# Altium PCB Power Distribution Board.PcbDoc (part 1 of 3) (continued)
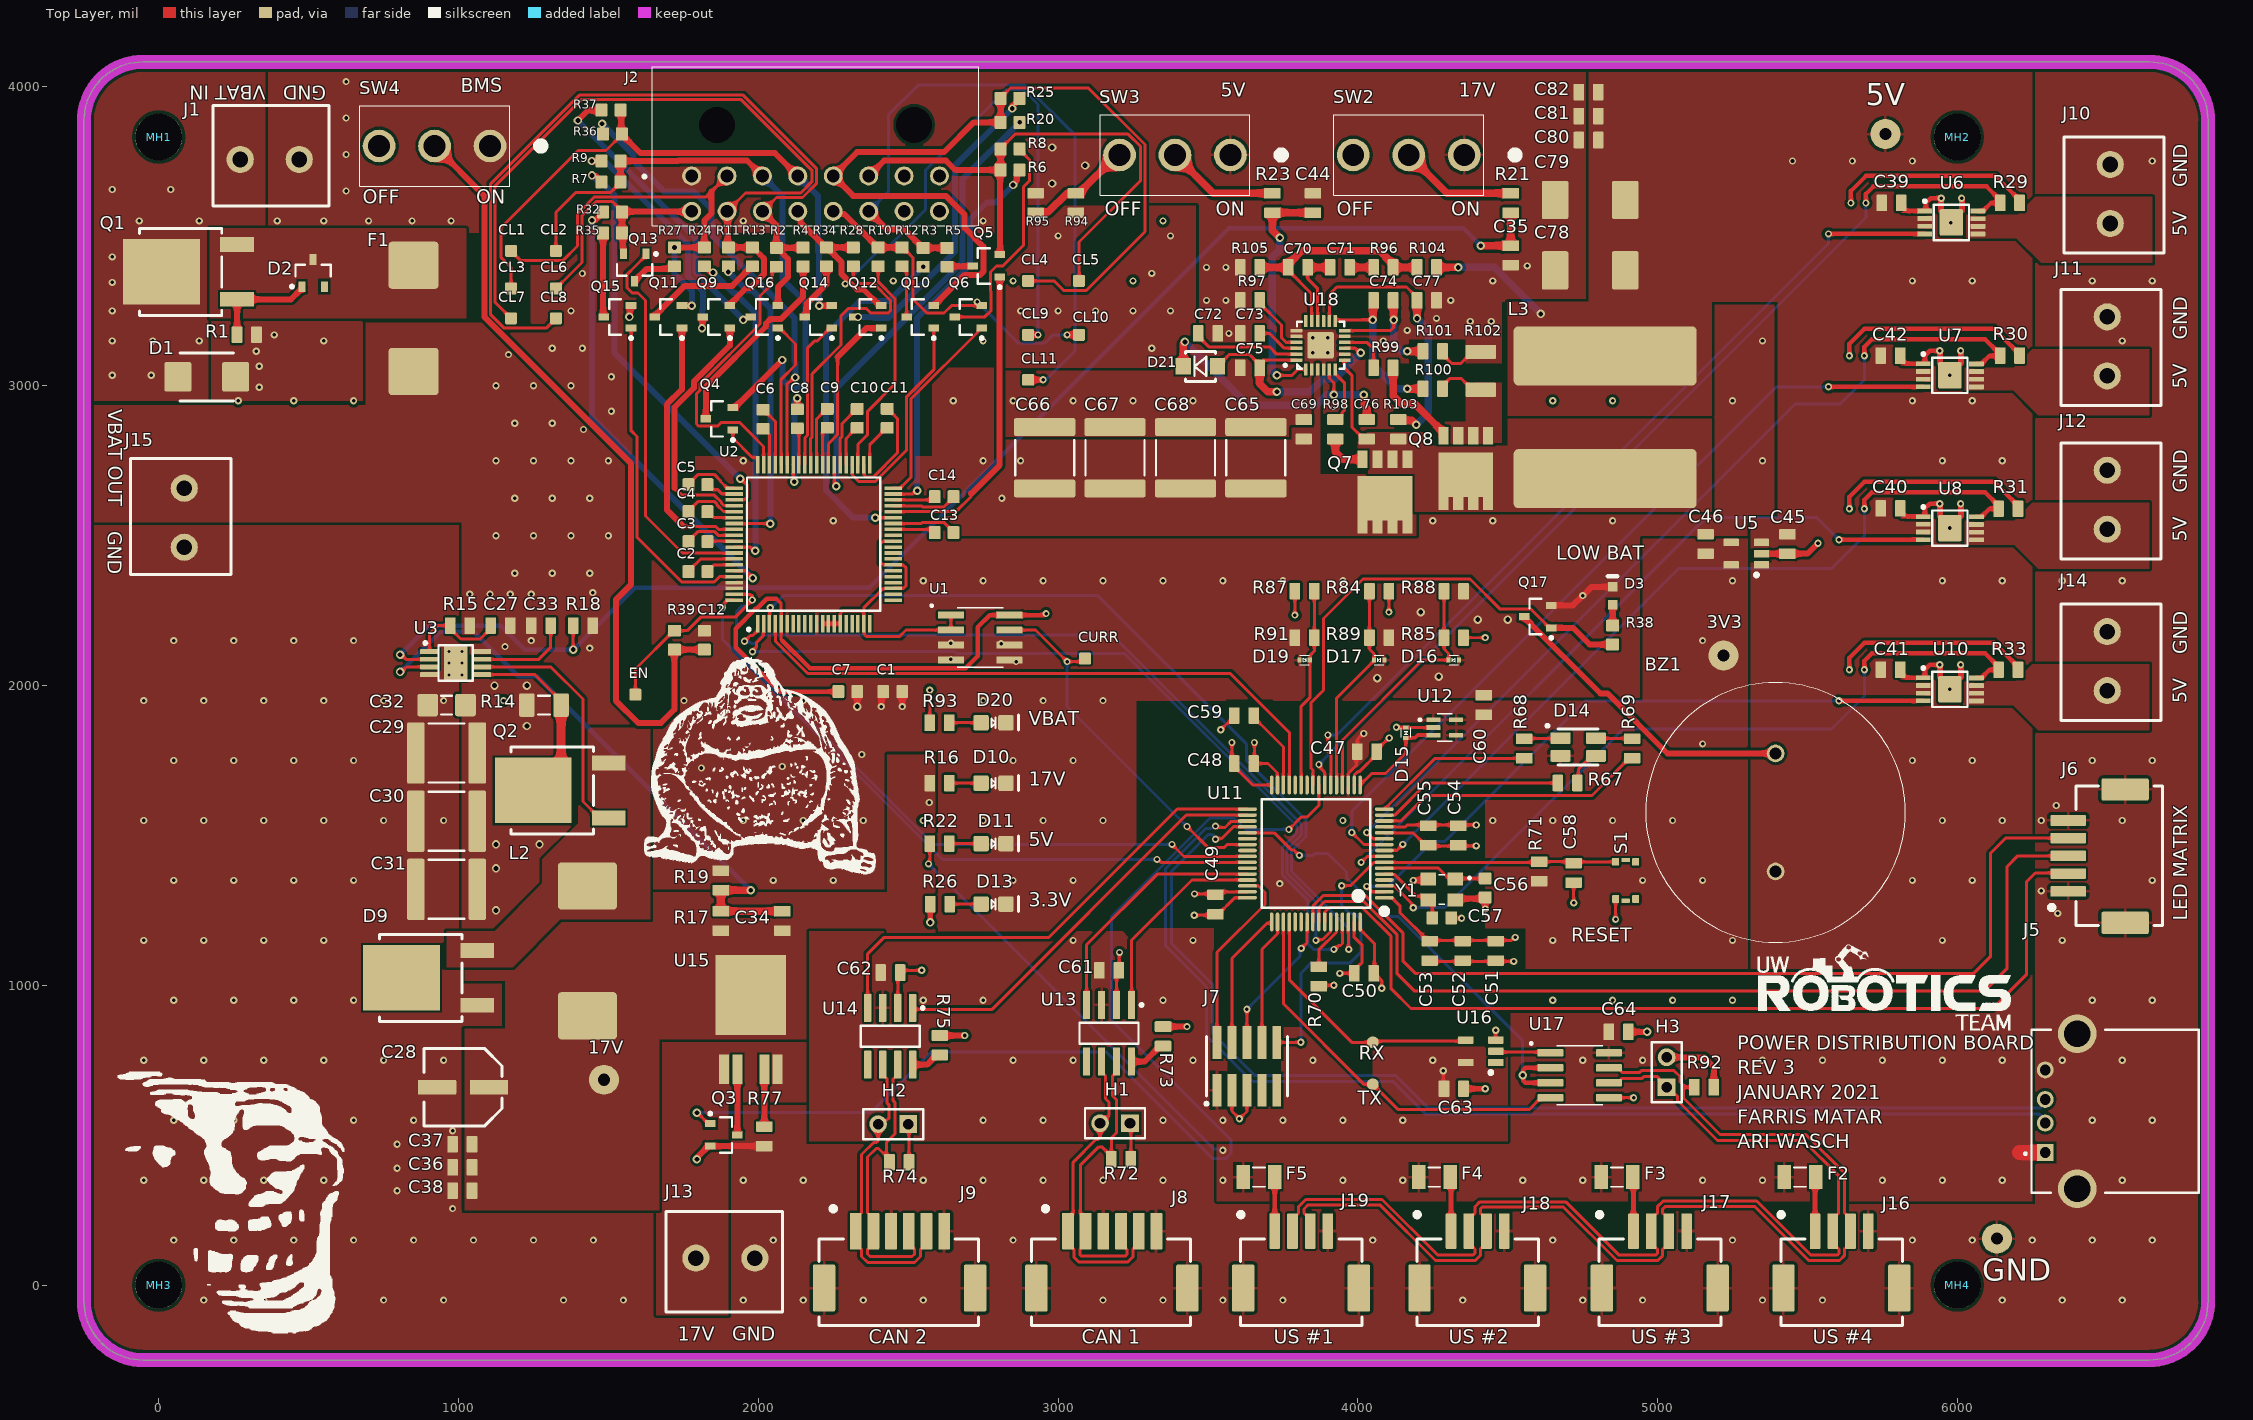
[diagram p0: Top Layer view]
## Components (designator, comment, footprint, x,y, rotation, side; value= is the part's Value field where it differs from the comment)
3V3 "TESTPOINT_LOOP" TESTPOINT_LOOP 5220,2100 r90 top (schematic designator TP11)
5V "TESTPOINT_LOOP" TESTPOINT_LOOP 5760,3840 r0 top (schematic designator TP8)
17V "TESTPOINT_LOOP" TESTPOINT_LOOP 1485,685 r0 top (schematic designator TP4)
BZ1 "PT-2040PQ" PT2040PQ 5393.63,1379.87 r180 top
C1 "CAP_1uF_50V_0603" CAP0603 2448.5,1980 r0 top value=1μF
C2 "CAP_1uF_50V_0603" CAP0603 1798.5,2380 r180 top value=1μF
C3 "CAP_1uF_50V_0603" CAP0603 1798.5,2480 r180 top value=1μF
C4 "CAP_1uF_50V_0603" CAP0603 1798.5,2580 r180 top value=1μF
C5 "CAP_1uF_50V_0603" CAP0603 1798.5,2670 r180 top value=1μF
C6 "CAP_1uF_50V_0603" CAP0603 2015.75,2888.39 r90 top value=1μF
C7 "CAP_0.1uF_50V_0603" CAP0603 2298.5,1980 r0 top value=0.1μF
C8 "CAP_1uF_50V_0603" CAP0603 2130,2890 r270 top value=1μF
C9 "CAP_1uF_50V_0603" CAP0603 2230,2891.5 r270 top value=1μF
C10 "CAP_1uF_50V_0603" CAP0603 2330,2891.5 r270 top value=1μF
C11 "CAP_1uF_50V_0603" CAP0603 2430,2891.5 r270 top value=1μF
C12 "CAP_0.1uF_16V_0603" CAP0603 1820,2151.5 r270 top value=0.1μF
C13 "CAP_1uF_50V_0603" CAP0603 2620,2510 r180 top value=1μF
C14 "CAP_1uF_50V_0603" CAP0603 2620,2630 r0 top value=1μF
C27 "CAP_1000pF_50V_0805" CAP0805 1140,2200 r0 top value=1000pF
C28 "CAP_56uF_25V_ALUM" RADIAL_PANASONIC_D 1015,660 r90 top value=56μF
C29 "CAP_10μF_100V_2220" CAP2220 960,1775 r0 top value=10μF
C30 "CAP_10μF_100V_2220" CAP2220 960,1547.5 r0 top value=10μF
C31 "CAP_10μF_100V_2220" CAP2220 960,1320 r0 top value=10μF
C32 "CAP_1uF_100V_1206" CAP1206 960,1935 r0 top value=1μF
C33 "CAP_0.47uF_25V_0805" CAP0805 1275,2200 r180 top value=0.47µF
C34 "CAP_0.015uF_50V_0805" CAP0805 2080,1215 r270 top value=0.015µF
C35 "CAP_0.1uF_50V_0805" CAP0805 4510,3435 r90 top value=0.1μF
C36 "CAP_NU_0805" CAP0805 1012.52,392.5 r0 top value=NU
C37 "CAP_NU_0805" CAP0805 1012.52,470 r0 top value=NU
C38 "CAP_NU_0805" CAP0805 1012.52,315 r0 top value=NU
C39 "CAP_1uF_16V_0805" CAP0805 5780,3610 r180 top value=1μF
C40 "CAP_1uF_16V_0805" CAP0805 5776.72,2590.79 r180 top value=1μF
C41 "CAP_1uF_16V_0805" CAP0805 5776.72,2053.29 r180 top value=1μF
C42 "CAP_1uF_16V_0805" CAP0805 5776.72,3100.79 r180 top value=1μF
C44 "CAP_0.1uF_50V_0805" CAP0805 3850,3610 r270 top value=0.1μF
C45 "CAP_1uF_50V_0805" CAP0805 5432.87,2472.48 r90 top value=1μF
C46 "CAP_1uF_50V_0805" CAP0805 5160,2472.48 r270 top value=1μF
C47 "CAP_0.1uF_50V_0805" CAP0805 4030,1780 r180 top value=0.1μF
C48 "CAP_0.1uF_50V_0805" CAP0805 3620,1740 r180 top value=0.1μF
C49 "CAP_0.1uF_50V_0805" CAP0805 3525,1270 r270 top value=0.1μF
C50 "CAP_0.1uF_50V_0805" CAP0805 4020,1040 r0 top value=0.1μF
C51 "CAP_4.7uF_16V_0805" CAP0805 4460,1115 r90 top value=4.7μF
C52 "CAP_0.1uF_50V_0805" CAP0805 4350,1115 r90 top value=0.1μF
C53 "CAP_0.1uF_50V_0805" CAP0805 4240,1115 r90 top value=0.1μF
C54 "CAP_0.01uF_100V_0805" CAP0805 4335,1500 r90 top value=0.01μF
C55 "CAP_1uF_50V_0805" CAP0805 4235,1500 r90 top value=1μF
C56 "CAP_14pF_50V_0603" CAP0603 4425,1325 r90 top value=14pF
C57 "CAP_14pF_50V_0603" CAP0603 4280,1225 r180 top value=14pF
C58 "CAP_1uF_50V_0805" CAP0805 4720,1375 r90 top value=1μF
C59 "CAP_4.7uF_16V_0805" CAP0805 3620,1900 r0 top value=4.7μF
C60 "CAP_0.01uF_100V_0805" CAP0805 4420,1935 r270 top value=0.01μF
C61 "CAP_0.1uF_50V_0805" CAP0805 3170,1050 r180 top value=0.1μF
C62 "CAP_0.1uF_50V_0805" CAP0805 2440.53,1042.77 r180 top value=0.1μF
C63 "CAP_0.1uF_50V_0805" CAP0805 4320,655 r180 top value=0.1μF
C64 "CAP_0.1uF_50V_0805" CAP0805 4870,845 r180 top value=0.1μF
C65 "CAP_10μF_100V_2220" CAP2220 3660,2760 r270 top value=10μF
C66 "CAP_10μF_100V_2220" CAP2220 2955,2760 r270 top value=10μF
C67 "CAP_10μF_100V_2220" CAP2220 3190,2760 r270 top value=10μF
C68 "CAP_10μF_100V_2220" CAP2220 3425,2760 r270 top value=10μF
C69 "CAP_0.1uF_100V_0805" CAP0805 3820,2855 r270 top value=0.1µF
C70 "CAP_33pF_50V_0805" CAP0805 3800,3395 r0 top value=33pF
C71 "CAP_1000pF_50V_0805" CAP0805 3940,3395 r180 top value=1000pF
C72 "CAP_0.47uF_25V_0805" CAP0805 3500,3175 r180 top value=0.47µF
C73 "CAP_0.015uF_50V_0805" CAP0805 3640,3175 r0 top value=0.015µF
C74 "CAP_NU_0805" CAP0805 4085,3285 r180 top value=NU
C75 "CAP_0.47uF_25V_0805" CAP0805 3640,3060 r0 top value=0.47µF
C76 "CAP_1000pF_50V_0805" CAP0805 4030,2855 r90 top value=1000pF
C77 "CAP_820pF_50V_0805" CAP0805 4230,3285 r180 top
C78 "CAP_220uF_10V_TANT" CAP2917 4775,3385 r180 top value=220μF
C79 "CAP_220uF_10V_TANT" CAP2917 4775,3620 r180 top value=220μF
C80 "CAP_NU_0805" CAP0805 4770,3820 r0 top value=NU
C81 "CAP_NU_0805" CAP0805 4770,3900 r0 top value=NU
C82 "CAP_NU_0805" CAP0805 4770,3980 r0 top value=NU
CL1 "TESTPOINT_1MM_SQUARE" TESTPOINT_SQUARE_1MM 1175,3450 r90 top (schematic designator TP10)
CL2 "TESTPOINT_1MM_SQUARE" TESTPOINT_SQUARE_1MM 1325,3450 r90 top (schematic designator TP5)
CL3 "TESTPOINT_1MM_SQUARE" TESTPOINT_SQUARE_1MM 1175,3325 r90 top (schematic designator TP18)
CL4 "TESTPOINT_1MM_SQUARE" TESTPOINT_SQUARE_1MM 2900,3350 r90 top (schematic designator TP9)
CL5 "TESTPOINT_1MM_SQUARE" TESTPOINT_SQUARE_1MM 3070,3350 r90 top (schematic designator TP3)
CL6 "TESTPOINT_1MM_SQUARE" TESTPOINT_SQUARE_1MM 1325,3325 r90 top (schematic designator TP16)
CL7 "TESTPOINT_1MM_SQUARE" TESTPOINT_SQUARE_1MM 1175,3225 r90 top (schematic designator TP7)
CL8 "TESTPOINT_1MM_SQUARE" TESTPOINT_SQUARE_1MM 1325,3225 r90 top (schematic designator TP1)
CL9 "TESTPOINT_1MM_SQUARE" TESTPOINT_SQUARE_1MM 2900,3170 r90 top (schematic designator TP15)
CL10 "TESTPOINT_1MM_SQUARE" TESTPOINT_SQUARE_1MM 3070,3170 r90 top (schematic designator TP6)
CL11 "TESTPOINT_1MM_SQUARE" TESTPOINT_SQUARE_1MM 2900,3020 r90 top (schematic designator TP2)
CURR "TESTPOINT_1MM_SQUARE" TESTPOINT_SQUARE_1MM 3090,2090 r90 top (schematic designator TP19)
D1 "TVS_DIODE_BIDIR_51V" TVS_DIODE_BIDIR_SMB 160,3030 r180 top
D2 "DIO_ZENER_51V" SOT23-3 515,3376.26 r90 top
D3 "HSMG-C190" AVAG-HSMX-C190_V 4850,2299.52 r90 top
D9 "DIO_SCHOTTKY_100V_5.5A" D-PAK3 935.98,1025 r90 top
D10 "LED_GREEN" LED_0805_GREEN 2784.55,1674.33 r0 top
D11 "LED_GREEN" LED_0805_GREEN 2784.55,1472.67 r0 top
D13 "DIO_LED_G" LED_0805_GREEN 2784.55,1271 r0 top
D14 "LED_RGB" LED_RGB 4735,1795 r270 top
D15 "TVS_DIODE_UNIDIR_3.3V_7A" SOD-923 4160.17,1842.78 r90 top
D16 "TVS_DIODE_UNIDIR_3.3V_7A" SOD-923 4320,2085 r0 top
D17 "TVS_DIODE_UNIDIR_3.3V_7A" SOD-923 4071.24,2085 r0 top
D19 "TVS_DIODE_UNIDIR_3.3V_7A" SOD-923 3822.48,2085 r180 top
D20 "LED_GREEN" LED_0805_GREEN 2784.55,1876 r0 top
D21 "DIO_SCHOTTKY_100V_150mA" SOD-123_FLAT 3475,3065 r0 top
EN "TESTPOINT_1MM_SQUARE" TESTPOINT_SQUARE_1MM 1590,1970 r90 top (schematic designator TP20)
F1 "FUSE_30A_3912" FUSE_3912 850,3225 r270 top
F2 "FUSE_250mA_1206" FUSE_1206 5475,360 r180 top
F3 "FUSE_250mA_1206" FUSE_1206 4865,360 r180 top
F4 "FUSE_250mA_1206" FUSE_1206 4255,360 r180 top
F5 "FUSE_250mA_1206" FUSE_1206 3670,360 r180 top
GND "TESTPOINT_LOOP" TESTPOINT_LOOP 6131.89,155 r180 top (schematic designator TP12)
H1 "JUMPER_2" HDR1X2 3240,540 r180 top
H2 "JUMPER_2" HDR1X2 2499.76,537.09 r180 top
H3 "JUMPER_2" HDR1X2 5030,660 r90 top
J1 "CON_2M_TERM" 1935161 370,3755 r180 top
J2 "CONN_0430451600" 0430451600 1777.56,3700 r180 top
J5 "USB-A 2.0 Connector" "USB-A 2.0 Connector" 6400,580 r90 top
J6 "CON_5M_SM_RA" MOLEX-5025850570 6370,1313.78 r270 top
J7 "CON_PROGRAMMING" FTSH-105-01-F-DV-K-P-TR 3630,730 r0 top
J8 "CON_6M_SM_RA_1.5mm" MOLEX-5025850670 3032.83,180 r180 top
J9 "CON_6M_SM_RA_1.5mm" MOLEX-5025850670 2324.72,180 r180 top
J10 "CON_2M_TERM" 1935161 6510,3640 r90 top
J11 "CON_2M_TERM" 1935161 6500,3131.57 r90 top
J12 "CON_2M_TERM" 1935161 6500,2620 r90 top
J13 "CON_2M_TERM" 1935161 1890,90 r0 top
J14 "CON_2M_TERM" 1935161 6500,2081.57 r90 top
J15 "CON_2M_TERM" 1935161 85,2560 r270 top
J16 "CON_4M_SM_RA" MOLEX-5025850470 5525.31,179.75 r180 top
J17 "CON_4M_SM_RA" MOLEX-5025850470 4919.49,179.75 r180 top
J18 "CON_4M_SM_RA" MOLEX-5025850470 4310.94,180 r180 top
J19 "CON_4M_SM_RA" MOLEX-5025850470 3722.83,180 r180 top
L2 "IND_47uH_6.5A" IND_BOURNS_SRP1265 1430,1115 r270 top
L3 "IND_10uH_24A" IND_PULSE_PA2247 4825,2895 r90 top
MH1 "MOUNTING_HOLE_5/32" MOUNTING_HOLE_5/38#1 120,3890 r0 top
MH2 "MOUNTING_HOLE_5/32" MOUNTING_HOLE_5/38#2 4740,3910 r0 top
MH3 "MOUNTING_HOLE_5/32" MOUNTING_HOLE_5/38#3 60,30 r0 top
MH4 "MOUNTING_HOLE_5/32" MOUNTING_HOLE_5/38#4 4820,20 r0 top
Q1 "PMOS_85V_96A" D-PAK 135,3380 r90 top
Q2 "PMOS_100V_120A" D-PAK 1375,1650 r90 top
Q3 "PMOS_60V_120mA" SOT23-3 1884.84,501.14 r0 top
Q4 "NMOS_20V_6A" SOT23-3 1870,2890 r180 top
Q5 "NMOS_20V_6A" SOT23-3 2760,3400 r180 top
Q6 "NMOS_20V_6A" SOT23-3 2700,3230 r180 top
Q7 "NMOS_100V_90A" "8-SOP ADVANCE" 4090,2646.65 r180 top
Q8 "NMOS_100V_90A" "8-SOP ADVANCE" 4360,2725 r180 top
Q9 "NMOS_20V_6A" SOT23-3 1860,3230 r180 top
Q10 "NMOS_20V_6A" SOT23-3 2540,3230 r180 top
Q11 "NMOS_20V_6A" SOT23-3 1700,3230 r180 top
Q12 "NMOS_20V_6A" SOT23-3 2365.28,3230 r180 top
Q13 "NMOS_20V_6A" SOT23-3 1587.4,3394.72 r270 top
Q14 "NMOS_20V_6A" SOT23-3 2200,3230 r180 top
Q15 "NMOS_20V_6A" SOT23-3 1530,3230 r180 top
Q16 "NMOS_20V_6A" SOT23-3 2020,3230 r180 top
Q17 "NPN_40V_1.5A" SOT23-3 4600,2230 r180 top
R1 "RES_1kΩ_0805_1%" RES0805 293.46,3170 r180 top value=1kΩ
R2 "RES_3kΩ_0603_1%" RES0603 2060,3460 r270 top value=3kΩ
R3 "RES_3kΩ_0603_1%" RES0603 2550,3460 r270 top value=3kΩ
R4 "RES_430Ω_0603_5%" RES0603 2149.64,3461.13 r270 top value=430Ω
R5 "RES_430Ω_0603_5%" RES0603 2630,3460 r270 top value=430Ω
R6 "RES_3kΩ_0603_1%" RES0603 2808.27,3720 r0 top value=3kΩ
R7 "RES_3kΩ_0603_1%" RES0603 1540,3680 r180 top value=3kΩ
R8 "RES_430Ω_0603_5%" RES0603 2808.27,3790 r0 top value=430Ω
R9 "RES_430Ω_0603_5%" RES0603 1540,3750 r180 top value=430Ω
R10 "RES_3kΩ_0603_1%" RES0603 2400,3461.61 r270 top value=3kΩ
R11 "RES_3kΩ_0603_1%" RES0603 1900,3461.61 r270 top value=3kΩ
R12 "RES_430Ω_0603_5%" RES0603 2480,3461.61 r270 top value=430Ω
R13 "RES_430Ω_0603_5%" RES0603 1980,3461.61 r270 top value=430Ω
R14 "RES_0.010Ω_1206_1%" RES1206 1285,1935 r180 top value=0.010Ω
R15 "RES_1.24kΩ_0805_1%" RES0805 1005,2200 r0 top value=1.24kΩ
R16 "RES_3.3kΩ_0805_1%" RES0805 2604.55,1674.33 r180 top value=3.3kΩ
R17 "RES_10kΩ_0805_5%" RES0805 1875,1215 r270 top value=10kΩ
R18 "RES_510kΩ_0805_1%" RES0805 1415,2200 r0 top value=510kΩ
R19 "RES_787Ω_0805_1%" RES0805 1875,1350 r270 top value=787Ω
R20 "RES_3kΩ_0603_1%" RES0603 2808.27,3878.83 r0 top value=3kΩ
R21 "RES_1kΩ_0805_1%_1" RES0805 4510,3610 r270 top value=1kΩ
R22 "RES_1kΩ_0805_1%_1" RES0805 2604.55,1472.67 r180 top value=1kΩ
R23 "RES_1kΩ_0805_1%" RES0805 3715,3610 r270 top value=1kΩ
R24 "RES_3kΩ_0603_1%" RES0603 1820,3461.61 r270 top value=3kΩ
R25 "RES_430Ω_0603_5%" RES0603 2808.27,3959.11 r0 top value=430Ω
R26 "RES_220Ω_0805_5%" RES0805 2606.04,1271 r180 top value=220Ω
R27 "RES_430Ω_0603_5%" RES0603 1720,3461.61 r270 top value=430Ω
R28 "RES_3kΩ_0603_1%" RES0603 2316.77,3461.61 r270 top value=3kΩ
R29 "RES_10kΩ_0805_5%" RES0805 6175,3610 r0 top value=10kΩ
R30 "RES_10kΩ_0805_5%" RES0805 6175,3100.79 r0 top value=10kΩ
R31 "RES_10kΩ_0805_5%" RES0805 6170,2590 r0 top value=10kΩ
R32 "RES_3kΩ_0603_1%" RES0603 1545.08,3580 r180 top value=3kΩ
R33 "RES_10kΩ_0805_5%" RES0805 6170,2052.5 r0 top value=10kΩ
R34 "RES_430Ω_0603_5%" RES0603 2226.77,3461.61 r270 top value=430Ω
R35 "RES_430Ω_0603_5%" RES0603 1545.08,3510 r180 top value=430Ω
R36 "RES_3kΩ_0603_1%" RES0603 1545.08,3840 r180 top value=3kΩ
R37 "RES_430Ω_0603_5%" RES0603 1540,3920 r180 top value=430Ω
R38 "RES_1kΩ_0603_5%" RES0603 4850,2200 r270 top value=1kΩ
R39 "RES_1kΩ_0603_5%" RES0603 1720,2120 r90 top value=1kΩ
R67 "RES_20Ω_0805_1%" RES0805 4700,1675 r180 top value=20Ω
R68 "RES_120Ω_0805_1%" RES0805 4555,1790 r90 top value=120Ω
R69 "RES_20Ω_0805_1%" RES0805 4915,1790 r270 top value=20Ω
R70 "RES_10kΩ_0805_5%" RES0805 3870,1030 r270 top value=10kΩ
R71 "RES_10kΩ_0805_5%" RES0805 4605,1380 r270 top value=10kΩ
R72 "RES_120Ω_0805_1%" RES0805 3210,420 r180 top value=120Ω
R73 "RES_0Ω_0805" RES0805 3350,830 r90 top value=0Ω
R74 "RES_120Ω_0805_1%" RES0805 2470,410 r180 top value=120Ω
R75 "RES_0Ω_0805" RES0805 2605,800 r90 top value=0Ω
R77 "RES_1kΩ_0805_1%" RES0805 2019.88,496.22 r90 top value=1kΩ
R84 "RES_5.6kΩ_0805" RES0805 4071.24,2315 r0 top value=5.6kΩ
R85 "RES_2.2kΩ_0805" RES0805 4320,2160 r0 top value=2.2kΩ
R87 "RES_15kΩ_0805_1%" RES0805 3822.48,2315 r180 top value=15kΩ
R88 "RES_3.3kΩ_0805_1%" RES0805 4320,2315 r180 top value=3.3kΩ
R89 "RES_1.2kΩ_0805" RES0805 4071.24,2160 r180 top value=1.2kΩ
R91 "RES_1kΩ_0805_1%_1" RES0805 3822.48,2160 r0 top value=1kΩ
R92 "RES_120Ω_0805_1%" RES0805 5155,660 r180 top value=120Ω
R93 "RES_10kΩ_0805_5%" RES0805 2604.55,1876 r180 top value=10kΩ
R94 "RES_10kΩ_0805_5%" RES0805 3059.56,3610 r270 top value=10kΩ
R95 "RES_2.32kΩ_0805_1%" RES0805 2925,3610 r270 top value=2.32kΩ
R96 "RES_33.2kΩ_0805_1%" RES0805 4085,3395 r180 top value=33.2kΩ
R97 "RES_12.1kΩ_0805_1%" RES0805 3640,3285 r0 top value=12.1kΩ
R98 "RES_0Ω_0805" RES0805 3925,2855 r270 top value=0Ω
R99 "RES_0Ω_0805" RES0805 4085,3060 r0 top value=0Ω
R100 "RES_0Ω_0805" RES0805 4250,2990 r0 top value=0Ω
R101 "RES_0Ω_0805" RES0805 4250,3115 r0 top value=0Ω
R102 "RES_5mΩ_1210_1%" RES1210 4410,3050 r270 top value=5mΩ
R103 "RES_73.2kΩ_0805_1%" RES0805 4135,2855 r270 top value=73.2kΩ
R104 "RES_6.04kΩ_0805_1%" RES0805 4230,3395 r0 top value=6.04kΩ
R105 "RES_1.15kΩ_0805_1%" RES0805 3640,3395 r0 top value=1.15kΩ
RX "TESTPOINT_1MM_CIRCLE" TESTPOINT_CIRCLE_1MM 4050,810 r0 top (schematic designator TP13)
S1 "SW_PUSHBUTTON" TACTILE_SWITCH_SMD 4893.46,1349.92 r90 top
SW2 "SW_SPDT" 100SP1T1B4M2QE 4169.92,3770 r180 top
SW3 "SW_SPDT" 100SP1T1B4M2QE 3390,3770 r180 top
SW4 "SW_TOGGLE_SPDT" 100SP1T1B4M2QE 919.96,3800 r180 top (schematic designator S2)
TX "TESTPOINT_1MM_CIRCLE" TESTPOINT_CIRCLE_1MM 4050,670 r180 top (schematic designator TP14)
U1 "TMCS1101A1BQDRQ1" SOIC127P600X175-8N 2740,2160 r0 top
U2 "MAX14921ECS+" QFP50P1400X1400X120-80N 2184.72,2471.73 r90 top
U3 "BUCK_LMR14050SDDAR" 8-VSSOP 990,2075 r0 top
U5 "LDO_3.3V_500mA" SOT23-5 5296.3,2440 r180 top
U6 "BD82006FVJ-MGE2" 8-TSSOP-BJ 5980,3545 r0 top
U7 "BD82006FVJ-MGE2" 8-TSSOP-BJ 5975,3035 r0 top
U8 "BD82006FVJ-MGE2" 8-TSSOP-BJ 5975,2525 r0 top
U10 "BD82006FVJ-MGE2" 8-TSSOP-BJ 5975,1987.5 r0 top
U11 "STM32F446RET6" STM-LQFP64_L 3860,1440 r180 top
U12 "IC_TEMP_SENSOR_2" SOT65P210X110-5N 4290,1860 r0 top
U13 "LTC2875" LT-S8_N 3170,840 r270 top
U14 "LTC2875" LT-S8_N 2440,830 r270 top
U15 "BTS5014SDAAUMA1" D2PAK-4 1975,885 r0 top
U16 "IC_BUFFER" SOT23-5 4410,780 r180 top
U17 "MAX485CSA" SOIC127P600X175-8N 4740,700 r0 top
U18 "BUCK_LM5117QFN" 24-WQFN 3875.71,3135.16 r90 top
Y1 "CRYSTAL_25MHZ_20PF" XTAL_ECS-250-20-33-CKM-TR 4280,1320 r180 top

## Footprints (in the part's own frame and the unit in brackets; to place one, negate y for a bottom-side part, rotate by r counter-clockwise, add the part's x,y. Pads: shape width x height; smd on the part's side, far side on the other; paste and mask are expansions set on the pad)
"8-SOP ADVANCE" [mm]
  rect 0.85x1.45 smd: 1(1.905,-2.75) 2(-1.905,-2.75) 2(-0.635,-2.75) 2(0.635,-2.75)
  rect 0.85x1.15 smd: 3(-1.905,2.95) 3(-0.635,2.95) 3(0.635,2.95) 3(1.905,2.95)
  rect 4.66x3.75 smd: 3(0,0.55)
  body extent -2.65,-3 2.65,3, height 1
8-TSSOP-BJ [mm]
  rrect15% 1.25x0.4 smd: 1(-2.25,0.975) 2(-2.25,0.325) 3(-2.25,-0.325) 4(-2.25,-0.975) 5(2.25,-0.985) 6(2.25,-0.335) 7(2.25,0.315) 8(2.25,0.965)
  rrect15% 2x2.25 smd: 9(0,0)
  silkscreen extent -2.37,-1.5 1.5,1.92, body extent -2.47,-1.5 2.53,1.5, height 1.09
8-VSSOP [mm] "Texas Instruments 8-SO PowerPad"
  rrect15% 1.6x0.4 smd: 1(-2.2,0.975) 2(-2.2,0.325) 3(-2.2,-0.325) 4(-2.2,-0.975) 5(2.2,-0.975) 6(2.2,-0.325) 7(2.2,0.325) 8(2.2,0.975)
  rrect15% 2x3 smd: 9(0,0)
  silkscreen extent -2.69,-1.5 1.45,1.83, body extent -2.47,-1.55 2.47,1.55, height 1.1
24-WQFN [mm]
  rrect15% 0.3x1 smd: 1(-1.25,2.05) 2(-0.75,2.05) 3(-0.25,2.05) 4(0.25,2.05) 5(0.75,2.05) 6(1.25,2.05) 13(1.25,-2.05) 14(0.75,-2.05) 15(0.25,-2.05) 16(-0.25,-2.05) 17(-0.75,-2.05) 18(-1.25,-2.05)
  rrect15% 1x0.3 smd: 7(2.05,1.25) 8(2.05,0.75) 9(2.05,0.25) 10(2.05,-0.25) 11(2.05,-0.75) 12(2.05,-1.25) 19(-2.05,-1.25) 20(-2.05,-0.75) 21(-2.05,-0.25) 22(-2.05,0.25) 23(-2.05,0.75) 24(-2.05,1.25)
  rrect15% 2.25x2.25 smd: 25(0,0)
  silkscreen extent -2,-2 2,3.1, body extent -2,-2 2,2, height 0.9
100SP1T1B4M2QE [mm]
  round 2.775 hole 1.85: 1(-4.7,0) 2(0,0) 3(4.7,0)
  silkscreen extent -9.3,-3.43 6.35,3.43, body extent -6.35,-3.43 6.35,3.43, height 29.63
1935161 [mm] "TERM BLK 2POS SIDE ENTRY 5MM PCB"
  round 2.3 hole 1.325: 1(-2.5,0) 2(2.5,0)
  silkscreen extent -5.01,-4.57 4.83,3.94, body extent -5.01,-5.06 5.39,3.94, height 11.41
0430451600 [mm]
  round 1.605 hole 1.07: 1(0,0) 2(-3,0) 3(-6,0) 4(-9,0) 5(-12,0) 6(-15,0) 7(-18,0) 8(-21,0) 9(0,3) 10(-3,3) 11(-6,3) 12(-9,3) 13(-12,3) 14(-15,3) 15(-18,3) 16(-21,3)
  round 1.525 hole 3.05 unplated: MH1(-18.85,-4.32) MH2(-2.15,-4.32)
  silkscreen extent -24.33,-9.24 4.05,4.2, body extent -24.59,-8.89 3.56,3.35, height 8.77
AVAG-HSMX-C190_V [mm] "SMD, 2-Leads, Body 1.6x0.8mm, Height 0.9mm"
  rect 0.8x0.8 smd: 1(-0.75,0) 2(0.75,0)
  silkscreen extent 1.65,-0.4 1.65,0.4, body extent -0.8,-0.4 0.8,0.4, height 0.9
CAP0603 [mm]
  rrect20% 1x1.1 smd: 1(-0.8,0) 2(0.8,0)
  body extent -0.87,-0.48 0.88,0.48, height 0.87
CAP0805 [mm] "Chip Capacitor, Body 2.0x1.2mm, Height 0.45mm, IPC Medium Density"
  rrect15% 0.9x1.4 smd: 1(-0.825,0) 2(0.825,0)
  body extent -1.1,-0.73 1.1,0.73, height 1.39
CAP1206 [mm] "Chip Capacitor, Body 3.2x1.6mm, Height 0.55mm, IPC Medium Density"
  rrect20% 1.75x1.9 smd: 1(-1.6,0) 2(1.6,0)
  silkscreen extent -0.45,-0.8 0.45,0.8, body extent -1.7,-0.9 1.7,0.9, height 0.88
CAP2220 [mm]
  rrect20% 1.5x5.2 smd: 1(-2.6,0) 2(2.6,0)
  silkscreen extent -1.5,-2.5 1.5,2.5, body extent -2.92,-2.5 2.92,2.5, height 2.4
CAP2917 [mm]
  rrect15% 2.25x3.25 smd: 1(-2.975,0) 2(2.975,0)
  body extent -3.78,-2.17 3.72,2.13, height 2.8
D2PAK-4 [mm]
  rect 0.85x2.5 smd: 1(-2.28,-4.2) 2(-1.14,-4.2) 4(1.14,-4.2) 5(2.28,-4.2)
  rect 6x6.75 smd: 3(0,2.1)
  body extent -3.25,-4.7 3.25,5.2, height 2.3
D-PAK [mm] "TO-252AA"
  rect 5.55x6.5 smd: 1(0,3.2)
  rect 1.25x2.85 smd: 2(-2.325,-3.2) 3(2.325,-3.2)
  silkscreen extent -3.68,-1.91 3.68,5.08, body extent -3.27,-4.08 3.27,5.8, height 2.64
D-PAK3 [mm]
  rect 1.25x2.85 smd: 1(-2.325,-3.2) 2(2.325,-3.2)
  rect 5.55x6.5 smd: 3(0,3.2)
  silkscreen extent -3.68,-1.91 3.68,5.08, body extent -3.27,-4.08 3.27,5.8, height 2.64
FTSH-105-01-F-DV-K-P-TR [mil] "Samtec programming header 10 positions"
  rect 29x110 smd mask+2: 1(-100,-80) 2(-100,80) 3(-50,-80) 4(-50,80) 5(0,-80) 6(0,80) 7(50,-80) 8(50,80) 9(100,-80) 10(100,80)
  silkscreen extent -140,-130 135,100, body extent -125,-115 125,175, height 276
FUSE_1206 [mil]
  rect 45x80 smd mask+1: 1(-52.5,0) 2(52.5,0)
  silkscreen extent -20,-32 20,32, body extent -65,-32 65,32, height 32
FUSE_3912 [mm] "Chip Fuse, Body 9.8x2.03mm"
  rrect15% 4x4.25 smd: 1(-4.5,0) 2(4.5,0)
  body extent -4.9,-1.53 4.9,1.53, height 3.18
HDR1X2 [mm] "Connector; Header; 2 Position"
  rect 1.5x1.5 hole 0.9: 1(0,0)
  round 1.5 hole 0.9: 2(2.54,0)
  silkscreen extent -1.27,-1.27 3.81,1.27, body extent -1.27,-1.27 3.81,1.27, height 6.35
IND_BOURNS_SRP1265 [mm]
  rrect15% 4x5 smd: 1(-5.5,0) 2(5.5,0)
  body extent -6.95,-6.74 6.95,6.74, height 5.94
IND_PULSE_PA2247 [mm]
  rrect15% 5x15.5 smd: 1(-5.2,0) 2(5.2,0)
  body extent -7.75,-8.25 7.75,8.25, height 9.55
LED_0805_GREEN [mm] "SMD, 2-Leads, Body 2x1.25mm"
  rrect20% 1.3x1.3 smd: 1(-1.05,0) 2(1.05,0)
  silkscreen extent -0.18,-0.64 2.11,0.64, body extent -1,-0.62 1,0.63, height 1.12
LED_RGB [mm]
  rrect20% 1x1.7 smd: 1(-0.75,-1.5) 2(-0.75,1.5) 3(0.75,1.5) 4(0.75,-1.5)
  silkscreen extent -1.92,-2.72 1.53,1.7, body extent -1.4,-1.75 1.4,1.75, height 1.89
LT-S8_N [mm] "SOP, 8-Leads, Body 4.9x3.9mm, Pitch 1.27mm, IPC Medium Density"
  rrect20% 2.375x0.625 smd: 1(-2.4,1.905) 2(-2.4,0.635) 3(-2.4,-0.635) 4(-2.4,-1.905) 5(2.4,-1.905) 6(2.4,-0.635) 7(2.4,0.635) 8(2.4,1.905)
  silkscreen extent -2.52,-2.5 0.9,2.88, body extent -2.91,-2.4 2.87,2.5, height 1.45
MOLEX-5025850470 [mm] "CLIK-Mate, Surface Mount, Right Angle, 1.5mm pitch"
  rrect15% 1.9x4 smd: 0(-7.125,4.82) 0(2.675,4.82)
  rrect15% 0.9x3 smd: 1(0,0) 2(-1.5,0) 3(-3,0) 4(-4.5,0)
  silkscreen extent -7.4,-1.6 3.07,8, body extent -7.45,-0.62 2.85,7.88, height 6.41
MOLEX-5025850570 [mm]
  rrect15% 1.9x4 smd: 0(-8.625,4.82) 0(2.675,4.82)
  rrect15% 0.9x3 smd: 1(0,0) 2(-1.5,0) 3(-3,0) 4(-4.5,0) 5(-6,0)
  silkscreen extent -8.9,-1.6 2.9,8, body extent -8.9,-0.5 2.9,8, height 6.21
MOLEX-5025850670 [mm]
  rrect15% 1.9x4 smd: 0(-10.125,4.82) 0(2.675,4.82)
  rrect15% 1x3.1 smd: 1(0,0) 2(-1.5,0) 3(-3,0) 4(-4.5,0) 5(-6,0) 6(-7.5,0)
  silkscreen extent -10.4,-2.1 3.1,8, body extent -10.25,-0.62 3.05,7.88, height 6.41
MOUNTING_HOLE_5/38#1 [mm] "Meant to use with Mcmaster-carr PN: 91443A250"
  round 3.97 hole 3.97 unplated mask+0.3: 0(-3.048,-1.524)
MOUNTING_HOLE_5/38#2 [mm] "Meant to use with Mcmaster-carr PN: 91443A250"
  round 3.97 hole 3.97 unplated mask+0.3: 0(32.004,-2.032)
MOUNTING_HOLE_5/38#3 [mm] "Meant to use with Mcmaster-carr PN: 91443A250"
  round 3.97 hole 3.97 unplated mask+0.3: 0(-1.524,-0.762)
MOUNTING_HOLE_5/38#4 [mm] "Meant to use with Mcmaster-carr PN: 91443A250"
  round 3.97 hole 3.97 unplated mask+0.3: 0(29.972,-0.508)
PT2040PQ [mm]
  round 1.5 hole 1: 1(0,0) 2(0,-10)
  silkscreen extent -11,-16 11,6, body extent -11,-16 11,6, height 9.5
QFP50P1400X1400X120-80N [mm]
  rect 1.475x0.3 smd: 1(-6.738,4.75) 2(-6.738,4.25) 3(-6.738,3.75) 4(-6.738,3.25) 5(-6.738,2.75) 6(-6.738,2.25) 7(-6.738,1.75) 8(-6.738,1.25) 9(-6.738,0.75) 10(-6.738,0.25) 11(-6.738,-0.25) 12(-6.738,-0.75) 13(-6.738,-1.25) 14(-6.738,-1.75) 15(-6.738,-2.25) 16(-6.738,-2.75) 17(-6.738,-3.25) 18(-6.738,-3.75) 19(-6.738,-4.25) 20(-6.738,-4.75) 41(6.738,-4.75) 42(6.738,-4.25) 43(6.738,-3.75) 44(6.738,-3.25) 45(6.738,-2.75) 46(6.738,-2.25) 47(6.738,-1.75) 48(6.738,-1.25) 49(6.738,-0.75) 50(6.738,-0.25) 51(6.738,0.25) 52(6.738,0.75) 53(6.738,1.25) 54(6.738,1.75) 55(6.738,2.25) 56(6.738,2.75) 57(6.738,3.25) 58(6.738,3.75) 59(6.738,4.25) 60(6.738,4.75)
  rect 0.3x1.475 smd: 21(-4.75,-6.738) 22(-4.25,-6.738) 23(-3.75,-6.738) 24(-3.25,-6.738) 25(-2.75,-6.738) 26(-2.25,-6.738) 27(-1.75,-6.738) 28(-1.25,-6.738) 29(-0.75,-6.738) 30(-0.25,-6.738) 31(0.25,-6.738) 32(0.75,-6.738) 33(1.25,-6.738) 34(1.75,-6.738) 35(2.25,-6.738) 36(2.75,-6.738) 37(3.25,-6.738) 38(3.75,-6.738) 39(4.25,-6.738) 40(4.75,-6.738) 61(4.75,6.738) 62(4.25,6.738) 63(3.75,6.738) 64(3.25,6.738) 65(2.75,6.738) 66(2.25,6.738) 67(1.75,6.738) 68(1.25,6.738) 69(0.75,6.738) 70(0.25,6.738) 71(-0.25,6.738) 72(-0.75,6.738) 73(-1.25,6.738) 74(-1.75,6.738) 75(-2.25,6.738) 76(-2.75,6.738) 77(-3.25,6.738) 78(-3.75,6.738) 79(-4.25,6.738) 80(-4.75,6.738)
  silkscreen extent -7.35,-5.65 5.65,5.65, body extent -7,-7 7,7, height 1.2
RADIAL_PANASONIC_D [mm] "Size D radial surface mount capacitor"
  rrect15% 1.25x3.25 smd: 1(0,-2.2) 2(0,2.2)
  silkscreen extent -3.3,-3.3 3.3,3.3, body extent -3.3,-3.5 3.3,3.5, height 8.11
RES0603 [mm] "Chip Resistor, Body 1.6x0.8mm, IPC Medium Density"
  rrect15% 1x1.1 smd: 1(0,0) 2(1.6,0)
  body extent 0,-0.4 1.6,0.4, height 0.46
RES0805 [mm] "Chip Resistor, 2-Leads, Body 2.00x1.25mm, IPC High Density"
  rrect15% 0.9x1.4 smd: 1(-0.825,0) 2(0.825,0)
  body extent -1,-0.62 1,0.63, height 0.61
RES1206 [mm] "Chip Resistor, Body 3.2x1.6mm, IPC Medium Density"
  rrect20% 1.3x2 smd: 1(-1.45,0) 2(1.45,0)
  silkscreen extent -0.5,-0.8 0.5,0.8, body extent -1.6,-0.8 1.6,0.8, height 0.61
RES1210 [mm] "Chip Resistor, Body 3.20x2.50mm"
  rrect15% 1.2x2.6 smd: 1(-1.6,0) 2(1.6,0)
  body extent -1.6,-1.25 1.6,1.25, height 0.6
SOD-123_FLAT [mm]
  rect 1.3x1.4 smd: 1(-1.45,0) 2(1.45,0)
  silkscreen extent -1.27,-1.27 1.27,1.27, body extent -1.93,-1.08 1.92,1.08, height 1.35
SOD-923 [mm]
  rrect15% 0.35x0.45 smd mask+0.05: 1(-0.437,0) 2(0.437,0)
  silkscreen extent -0.4,-0.4 0.4,0.4, body extent -0.53,-0.32 0.53,0.32, height 0.43
SOIC127P600X175-8N [mm]
  rrect15% 2.2x0.6 smd: 1(-2.475,1.905) 2(-2.475,0.635) 3(-2.475,-0.635) 4(-2.475,-1.905) 5(2.475,-1.905) 6(2.475,-0.635) 7(2.475,0.635) 8(2.475,1.905)
  silkscreen extent -4.2,-2.51 1.95,2.8, body extent -3,-2.45 3,2.45, height 1.75
SOT23-3 [mm] "SOT23, 3-Leads, Body 2.90x2.30mm, Pitch 0.95mm, IPC Medium Density"
  rect 0.9x0.6 smd: 1(-1.15,0.95) 2(-1.15,-0.95) 3(1.15,0)
  silkscreen extent -1.27,-1.5 0.7,1.92, body extent -1.3,-1.5 1.3,1.5, height 1.1
SOT23-5 [mm]
  rrect15% 1.3x0.63 smd: 1(-1.279,0.95) 2(-1.279,0) 3(-1.279,-0.95) 4(1.279,-0.95) 5(1.279,0.95)
  silkscreen extent -0.99,1.66 -0.71,1.94, body extent -1.4,-1.45 1.4,1.45, height 1.2
SOT65P210X110-5N [mm]
  rrect25% 1.19x0.4 smd: 1(-0.96,0.65) 2(-0.96,0) 3(-0.96,-0.65) 4(0.96,-0.65) 5(0.96,0.65)
  silkscreen extent -2.2,-1.17 0.63,1.17, body extent -1.05,-1 1.05,1, height 1.1
STM-LQFP64_L [mm] "QFP, 64-Leads, Body 10x10mm, Pitch 0.5mm, IPC High Density"
  oval 1.6x0.3 smd: 1(-5.8,3.75) 2(-5.8,3.25) 3(-5.8,2.75) 4(-5.8,2.25) 5(-5.8,1.75) 6(-5.8,1.25) 7(-5.8,0.75) 8(-5.8,0.25) 9(-5.8,-0.25) 10(-5.8,-0.75) 11(-5.8,-1.25) 12(-5.8,-1.75) 13(-5.8,-2.25) 14(-5.8,-2.75) 15(-5.8,-3.25) 16(-5.8,-3.75) 33(5.8,-3.75) 34(5.8,-3.25) 35(5.8,-2.75) 36(5.8,-2.25) 37(5.8,-1.75) 38(5.8,-1.25) 39(5.8,-0.75) 40(5.8,-0.25) 41(5.8,0.25) 42(5.8,0.75) 43(5.8,1.25) 44(5.8,1.75) 45(5.8,2.25) 46(5.8,2.75) 47(5.8,3.25) 48(5.8,3.75)
  oval 0.3x1.6 smd: 17(-3.75,-5.8) 18(-3.25,-5.8) 19(-2.75,-5.8) 20(-2.25,-5.8) 21(-1.75,-5.8) 22(-1.25,-5.8) 23(-0.75,-5.8) 24(-0.25,-5.8) 25(0.25,-5.8) 26(0.75,-5.8) 27(1.25,-5.8) 28(1.75,-5.8) 29(2.25,-5.8) 30(2.75,-5.8) 31(3.25,-5.8) 32(3.75,-5.8) 49(3.75,5.8) 50(3.25,5.8) 51(2.75,5.8) 52(2.25,5.8) 53(1.75,5.8) 54(1.25,5.8) 55(0.75,5.8) 56(0.25,5.8) 57(-0.25,5.8) 58(-0.75,5.8) 59(-1.25,5.8) 60(-1.75,5.8) 61(-2.25,5.8) 62(-2.75,5.8) 63(-3.25,5.8) 64(-3.75,5.8)
  silkscreen extent -5.93,-4.6 4.6,5.02, body extent -5.98,-6 6.02,6, height 1.56
TACTILE_SWITCH_SMD [mm]
  rrect15% 0.65x0.6 smd: 1(-1.575,0.85) 2(1.575,0.85) 3(1.575,-0.85) 4(-1.575,-0.85)
  rrect15% 0.35x0.7 smd: 5(1.725,0) 6(-1.725,0)
  body extent -1.75,-1.35 1.75,1.35, height 1.6
TESTPOINT_CIRCLE_1MM [mm]
  round 1 smd: 1(0,0)
TESTPOINT_LOOP [mm]
  round 2.54 hole 1.02: 1(0,0)
  body extent -1.27,-1.27 1.27,1.27, height 4.57
TESTPOINT_SQUARE_1MM [mm]
  rrect20% 1x1 smd: 1(0,0)
TVS_DIODE_BIDIR_SMB [mm] "DO-214AA, SMB"
  rrect15% 2.3x2.5 smd: 1(-2.45,0) 2(2.45,0)
  silkscreen extent -2.25,-2.03 2.25,2.03, body extent -2.7,-1.8 2.7,1.8, height 2.27
"USB-A 2.0 Connector" [mm]
  rect 1.428x1.428 hole 0.92: 1(-3.5,2.71)
  round 1.428 hole 0.92: 2(-1,2.71) 3(1,2.71) 4(3.5,2.71)
  round 3.276 hole 2.26: S1(-6.57,0) S2(6.57,0)
  silkscreen extent -6.9,-10.28 6.9,4.5
XTAL_ECS-250-20-33-CKM-TR [mm]
  rect 1.3x1.1 smd: 1(-1.15,-0.9) 2(1.15,-0.9) 3(1.15,0.9) 4(-1.15,0.9)
  silkscreen extent -2.45,-1.25 0.27,1.25, body extent -1.62,-1.25 1.58,1.25, height 0.8

## Part data
3V3 5V 17V GND: "TESTPOINT THRUHOLE", Manufacturer 1="Keystone Electronics", Manufacturer Part Number 1=5002, Package/Footprint=TH, Supplier Part Number 1=36-5002-ND, Mounting Type=TH, Supplier 1=Digi-Key
BZ1: "Loudspeaker or Buzzer", Manufacturer_Name="Mallory Sonalert", Mouser Part Number=539-PT2040PQ, Datasheet Link=https://datasheet.datasheetarchive.com/originals/distributors/SFDatasheet-1/sf-00027599.pdf, Height=9.4mm, Manufacturer_Part_Number=PT-2040PQ, Mouser Price/Stock=https://www.mouser.co.uk/ProductDetail/Mallory-Sonalert/PT-2040PQ?qs=l%2Fkuw%2F8%252BD9j2AVf7eGaf%252BA%3D%3D
C1 C2 C3 C4 C5 C6 C8 C9 C10 C11 C13 C14: "CAP CER 1UF 50V X6S 0603", Dielectric=X6S, Manufacturer 1="TDK Corporation", Manufacturer Part Number 1=C1608X6S1H105K080AC, Supplier Part Number 1=445-7424-1-ND, Voltage Rating=50V, Supplier 1=Digi-Key
C7: "CAP CER 0.1UF 50V X7R 0603", Dielectric=X7R, Manufacturer 1=Yageo, Manufacturer Part Number 1=CC0603KRX7R9BB104, Package/Footprint=0603, Supplier Part Number 1=311-1344-1-ND, Voltage Rating=50V, Mounting Type=SMD, Supplier 1=Digi-Key
C12: "CAP CER 0.1UF 16V X7R 0603", Dielectric=X7R, LCSC Number=C108079, Manufacturer 1=Yageo, Manufacturer Part Number 1=CC0603KRX7R7BB104, Package/Footprint=0603, Supplier Part Number 1=311-1088-1-ND, Voltage Rating=16V, Supplier 1=Digi-Key
C27 C71 C76: "CAP CER 1000pF 50V X7R 0805", Dielectric=X7R, Manufacturer 1=Samsung, Manufacturer Part Number 1=CL21B102KBANNNC, Package/Footprint=0805, Supplier Part Number 1=1276-1020-1-ND, Voltage Rating=50V, Mounting Type=SMD, Supplier 1=Digi-Key
C28: "CAP ALUM POLY HYB 56UF 25V SMD", Manufacturer 1="Panasonic Electronic Components", Manufacturer Part Number 1=EEH-ZC1E560P, Supplier Part Number 1=P15460CT-ND, Voltage Rating=25V, Supplier 1=Digi-Key
C29 C30 C31 C65 C66 C67 C68: "CAP CER 10UF 100V X7S 2220", Manufacturer 1="TDK Corporation", Manufacturer Part Number 1=CGA9N3X7S2A106K230KE, Package=2220, Supplier Part Number 1=445-8768-1-ND, Voltage Rating=100V, Mounting Type=SMD, Supplier 1=Digi-Key
C32: "CAP CER 1UF 100V X7R 1206", Package=1206, Supplier Part Number 1=490-16468-1-ND, Voltage Rating=100V, Mounting Type=SMD, Supplier 1=Digi-Key
C33 C72 C75: "CAP CER 0.47UF 25V X5R 0805", Manufacturer 1=KEMET, Manufacturer Part Number 1=C0805C474K3PAC7800, Package=0805, Supplier Part Number 1=399-15508-1-ND, Voltage Rating=25V, Supplier 1=Digi-Key
C34 C73: "CAP CER 0.015UF 50V C0G 0805", Manufacturer 1="TDK Corporation", Manufacturer Part Number 1=CGA4F2C0G1H153J085AA, Package=0805, Supplier Part Number 1=445-6948-1-ND, Voltage Rating=50V, Supplier 1=Digi-Key
C35 C44 C47 C48 C49 C50 C52 C53 C61 C62 C63 C64: "CAP CER 0.1UF 50V X7R 0805", Dielectric=X7R, LCSC Part #=C49678, Manufacturer 1="Murata Electronics", Manufacturer Part Number 1=GCM21BR71H104KA37K, Package/Footprint=0805, Supplier Part Number 1=490-8049-1-ND, Voltage Rating=50V, Mounting Type=SMD, Supplier 1=Digi-Key
C36 C37 C38 C74 C80 C81 C82: "PLACEHOLDER CAPACITOR", Package=0805, Mounting Type=SMD
C39 C40 C41 C42: "CAP CER 1UF 16V X7R 0805", Dielectric=X7R, Manufacturer 1=Yageo, Manufacturer Part Number 1=CC0805KKX7R7BB105, Package=0805, Supplier Part Number 1=311-1365-1-ND, Voltage Rating=16V, Mounting Type=SMD, Supplier 1=Digi-Key
C45 C46 C55 C58: "CAP CER 1UF 50V X7R 0805", LCSC Part #=C28323, Manufacturer 1="Samsung Electro-Mechanics", Manufacturer Part Number 1=CL21B105KBFNNNG, Package=0805, Supplier Part Number 1=1276-6470-1-ND, Voltage Rating=50V, Mounting Type=SMD, Supplier 1=Digi-Key
C51 C59: "CAP CER 4.7UF 16V X5R 0805", Dielectric=X5R, LCSC Part #=C1779, Manufacturer 1="Samsung Electro-Mechanics", Manufacturer Part Number 1=CL21A475KOFNNNE, Package=0805, Supplier Part Number 1=1276-1065-1-ND, Voltage Rating=16V, Mounting Type=SMD, Supplier 1=Digi-Key
C54 C60: "CAP CER 0.01uF 100V X7R 0805", Dielectric=X7R, LCSC Part #=C1710, Manufacturer 1="AVX Corporation", Manufacturer Part Number 1=08051C103KAT2A, Package=0805, Supplier Part Number 1=478-1358-1-ND, Voltage Rating=100V, Mounting Type=SMD, Supplier 1=Digi-Key
C56 C57: "CAP CER 14PF 50V C0G/NP0 0603", Dielectric=C0G, Manufacturer 1=Samsung, Manufacturer Part Number 1=CL10C140JB8NNNC, Package=0603, Supplier Part Number 1=1276-2187-1-ND, Voltage Rating=50V, Mounting Type=SMD, Supplier 1=Digi-Key
C69: "CAP CER 0.1UF 100V X7R 0805", Manufacturer 1="TDK Corporation", Manufacturer Part Number 1=C2012X7R2A104K125AA, Package=0805, Supplier Part Number 1=445-1418-1-ND, Voltage Rating=100V, Supplier 1=Digi-Key
C70: "CAP CER 33PF 50V C0G/NP0 0805", Dielectric=C0G/NP0, Manufacturer 1="Samsung Electro-Mechanics", Manufacturer Part Number 1=CL21C330JBANNNC, Package=0805, Supplier Part Number 1=1276-1105-1-ND, Voltage Rating=50V, Mounting Type=SMD, Supplier 1=Digi-Key
C77: "CAP CER 820PF 50V C0G/NP0 0805", Capacitance=820pF, Manufacturer 1=KEMET, Manufacturer Part Number 1=C0805X821J5GAC7800, Package/Footprint=0805, Supplier Part Number 1=399-19481-1-ND, Voltage Rating=50V, Supplier 1=Digi-Key
C78 C79: "CAP TANT POLY 220UF 10V 2917", Manufacturer 1="Vishay Sprague", Manufacturer Part Number 1=T55D227M010C0008, Supplier Part Number 1=718-2303-1-ND, Voltage Rating=10V, Supplier 1=Digi-Key
CL1: "CELL2"
CL2: "CELL4"
CL3: "CELL6"
CL4: "CELL8"
CL5: "CELL10"
CL6: "CELL1"
CL7: "CELL3"
CL8: "CELL5"
CL9: "CELL7"
CL10: "CELL9"
CL11: "CELL11"
CURR: "CURR_OUT"
D1: "TVS DIODE 51VWM 82.4VC DO214AA", Manufacturer 1=Littelfuse, Manufacturer Part Number 1=SMBJ26CA, Package/Footprint=SMB, Supplier Part Number 1=SMBJ51CALFCT-ND, Voltage - Breakdown (Min)=56.7V, Voltage - Clamping (Max) @ Ipp=82.4V, Voltage - Reverse Standoff (Typ)=51V, Mounting Type=SMD, Supplier 1=Digi-Key
D2: "DIODE ZENER 51V 250MW TO236AB", Forward Voltage=0.9V, Manufacturer 1="Nexperia USA Inc.", Manufacturer Part Number 1=BZX84-C51,215, Package/Case=SOT-23-3, Supplier Part Number 1=1727-5037-1-ND, Working Voltage=51V, Supplier 1=Digi-Key
D3: library part CMP-1744-00002-1, "Chip LED, Green, 2.2 V, -40 to 85 degC, 2-Pin SMD, RoHS, Tape and Reel", Case\Package=SOIC, Clock Frequency="100 KHz", Frequency="400 KHz", LCSC Number=C188729, Max Operating Temperature="85 degC", Max Supply Voltage="5.5 V", Min Operating Temperature="-40 degC", Min Supply Voltage="1.7 V", Nominal Supply Current="2 mA", Package Quantity=3000, Access Time="3500 ns", ComponentLink1Description="Manufacturer URL", ComponentLink1URL=http://www.avagotech.com/, ComponentLink2Description=Datasheet, ComponentLink2URL=http://docs.avagotech.com/docs/AV02-0551EN, ComponentLink3Description="Package Specification", ComponentLink3URL=http://www.fairchildsemi.com/dwg/MA/MA03D.pdf, DatasheetVersion=Mar-12, Density="32 kb", Height="1.5 mm", Interface=Serial, Length="5 mm", Max Clock Frequency="100 KHz", Mount="Surface Mount", PackageDescription="2-Pin Surface Mount Device, Body 1.6 x 0.8 mm, Height 0.9 mm", PackageReference=HSMX-C190, Packaging="Tape and Reel", Pins=8, Radiation Hardening=No, REACH SVHC="No SVHC", RoHSCompliant=true, Width="4 mm"
D9: library part DIO_SCHOTTKY_100V_10A, "DIODE SCHOTTKY 100V 10A TO263AB", Forward Current=10A, Manufacturer 1="Vishay General Semiconductor - Diodes Division", Manufacturer Part Number 1=MB10H100HE3_B/I, Package/Footprint=TO-263AB, Supplier Part Number 1=112-MB10H100HE3_B/ICT-ND, Mounting Type=SMD, Supplier 1=Digi-Key, Vr (Max)=100V
D10 D11 D13 D20: "LED GREEN DIFFUSED 0805 SMD", Forward Voltage Drop=2.2V, Manufacturer 1=OSRAM, Manufacturer Part Number 1="LG R971-KN-1", Package/Footprint=0805, Supplier Part Number 1=475-1410-1-ND, Mounting Type=SMD, Supplier 1=Digi-Key
D14: "LED RGB DIFFUSED 4PLCC SMD", Color=Blue,Green,Red, Forward Voltage=3.1V, Lens Color=White, Manufacturer 1=Broadcom, Manufacturer Part Number 1=ASMB-MTB1-0A3A2, Package/Footprint=4-PLCC, Supplier Part Number 1=516-3280-1-ND, Test Current=20mA, Dominant Wavelength=470nm, Lens Style=Round, Lens Transparency=Diffused, Luminous Intensity=350mcd, Mounting Type=SMD, Number of Pins=4, Supplier 1=Digi-Key, Viewing Angle=115°
D15 D16 D17 D19: "TVS DIODE 3.3VWM 11VC SOD923", Manufacturer 1="Central Semiconductor Corp", Manufacturer Part Number 1="CMATVS3V3 TR PBFREE", Package/Footprint=SOD-923, Supplier Part Number 1=1514-CMATVS3V3TRPBFREECT-ND, Voltage - Breakdown (Min)=5V, Voltage - Clamping (Max) @ Ipp=11V, Voltage - Reverse Standoff (Typ)=3.3V, Mounting Type=SMD, Supplier 1=Digi-Key
D21: "DIODE SCHOTTKY 100V 150MA SOD123", Manufacturer 1="Comchip Technology", Manufacturer Part Number 1=CDBW46-G, Package/Footprint=SOD-123, Supplier Part Number 1=641-1964-1-ND, Mounting Type=SMD, Supplier 1=Digi-Key, Vr (Max)=100V
EN: "TESTPOINT 1MM SQUARE"
F1: "FUSE SMT 3912 ENH BRK 250V 30A", Current Rating=30A, Manufacturer 1="Bel Fuse Inc.", Manufacturer Part Number 1=0678H9300-02, Package/Footprint=3912, Supplier Part Number 1=507-2254-1-ND, Mounting Type=SMD, Supplier 1=Digi-Key, Verified=No
F2 F3 F4 F5: "FUSE BOARD MNT 250MA 125VAC/VDC", Current Rating=250mA, Manufacturer 1=Littelfuse, Manufacturer Part Number 1=0466.250NR, Package/Footprint=1206, Supplier Part Number 1=F1452CT-ND, Mounting Type=SMD, Supplier 1=Digi-Key
H1 H2 H3: "HEADER 2X1", Manufacturer 1="TE Connectivity", Manufacturer Part Number 1=87220-2, Package/Footprint=TH, Supplier Part Number 1=A26542-ND, Mount="Through Hole", Mounting Type=TH, Supplier 1=Digi-Key